# KiCad board HPM6E00ADCEVKRevC.kicad_pcb
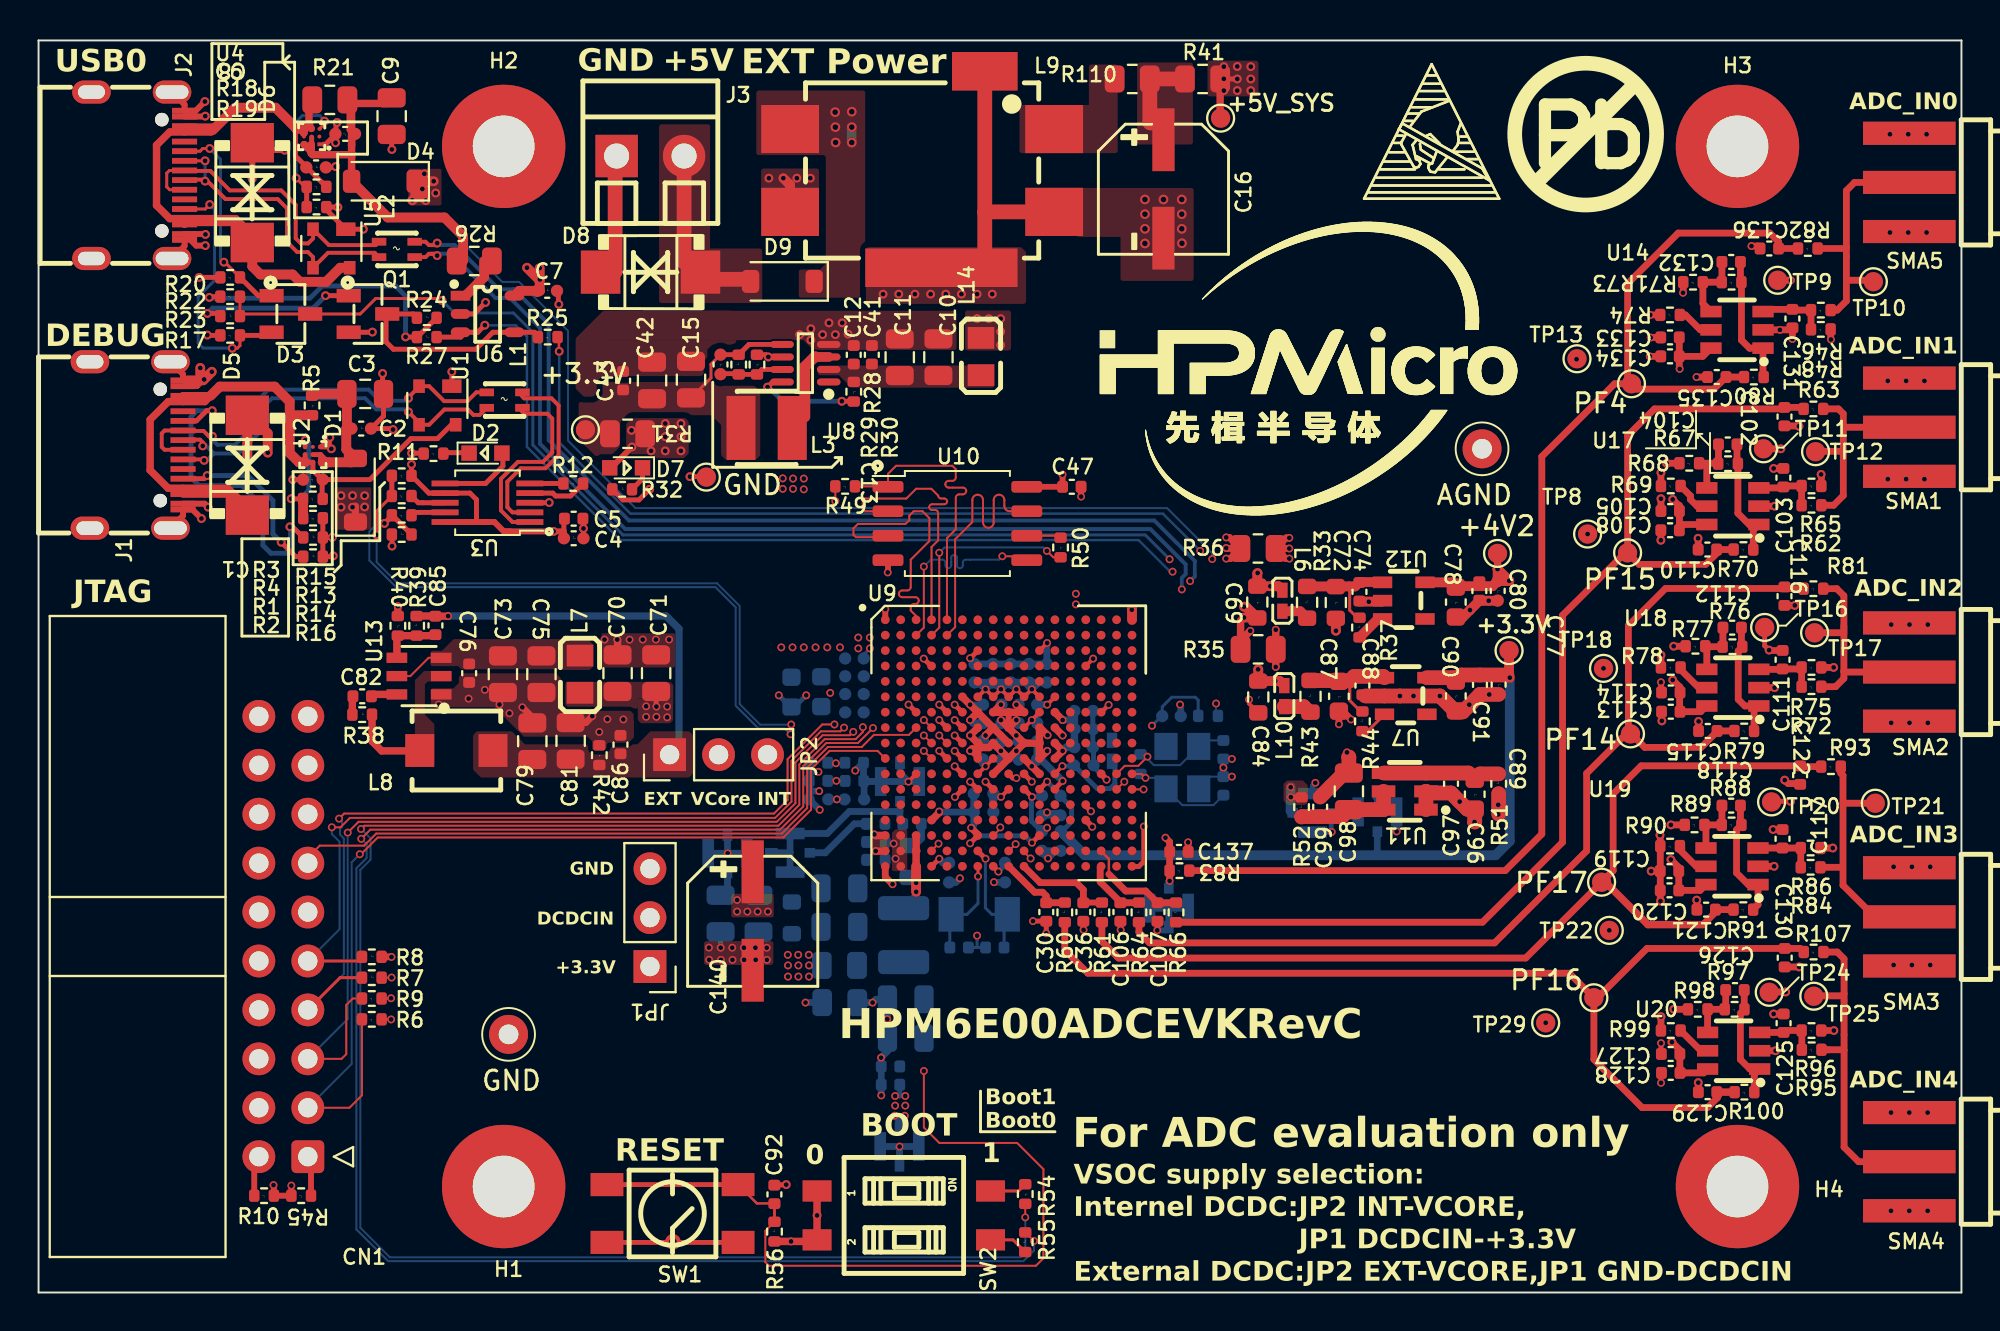
[diagram p0: board, top side]
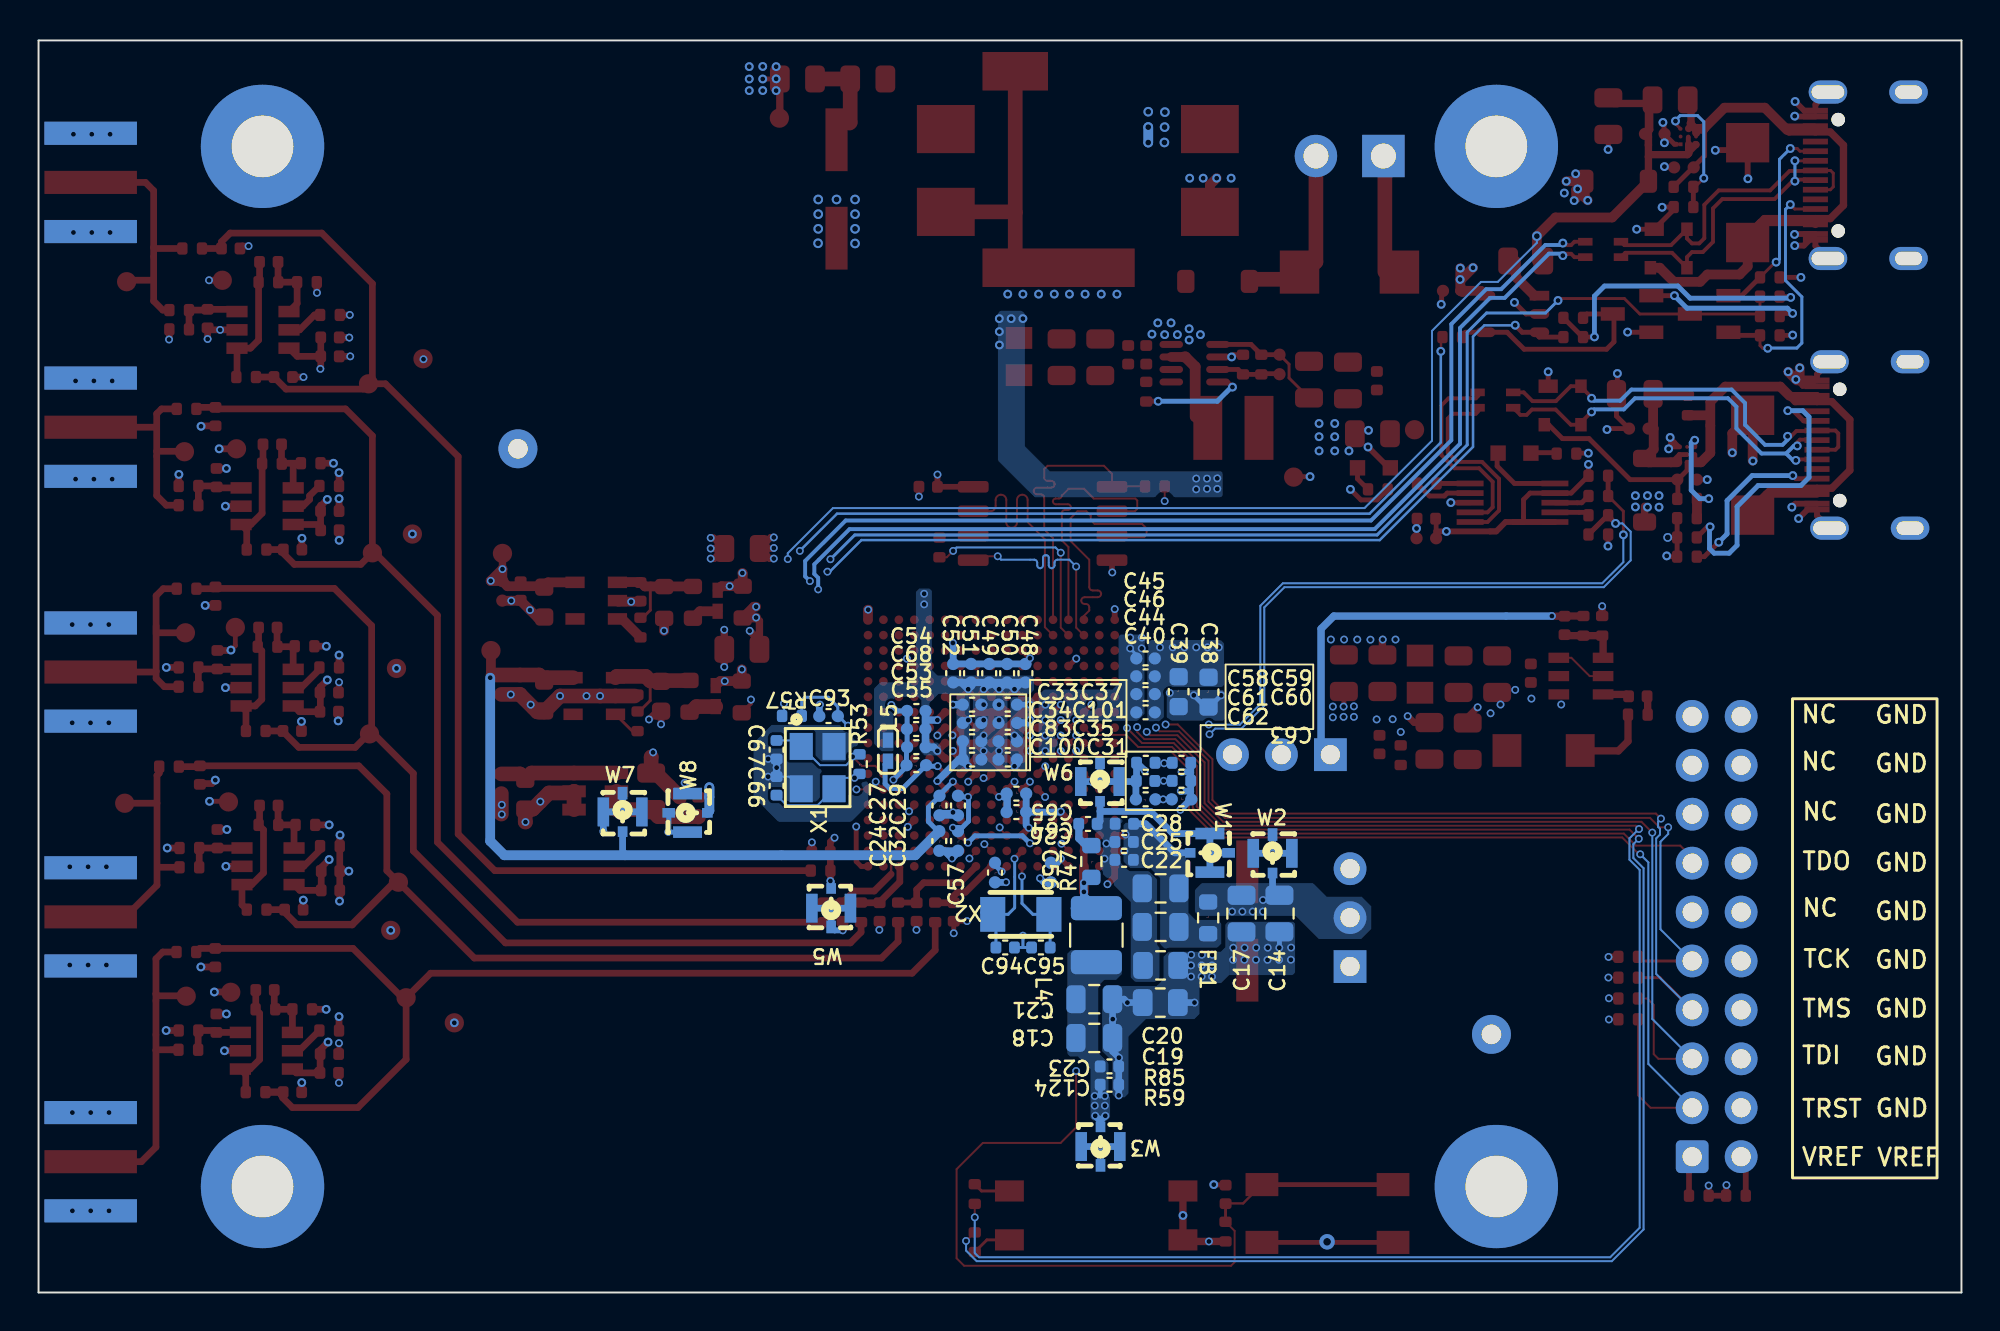
[diagram p1: board, bottom side, seen from below]

Outline 99.76 x 65 mm; copper layers: Top, In1.Cu, In2.Cu, Bottom. Coordinates in mm from the lower left corner of the outline.
Outline path: 0,65 99.76,65 99.76,0 0,0 0,65
Stack: Top 0.0351mm / dielectric 0.2103mm FR4 er 4.36 / In1.Cu 0.0152mm / dielectric 1.065mm FR4 er 4.43 / In2.Cu 0.0152mm / dielectric 0.2103mm FR4 er 4.36 / Bottom 0.0351mm

## Placement (name value [footprint] x y rotation side)
C1  0.1uF,50V  [C_0402]  14.23 42.2 180 top
C2  4.7uF,10V  [C_0402]  16.74 44.85 0 top
C3  22uF,10V  [C_0805_2012Metric]  16.95 46.65 0 top
C4  4.7uF,16V  [C_0402]  27.76 39.16 0 top
C5  0.1uF,16V  [C_0402_1005Metric]  27.76 40.17 0 top
C6  0.1uF,50V  [C_0402]  14.4 58.41 0 top
C7  4.7uF,16V  [C_0402]  26.39 52 0 top
C8  4.7uF,16V  [C_0402]  15.91 60.15 180 top
C9  22uF,10V  [C_0805_2012Metric]  18.32 61.07 270 top
C10  22uF,10V  [C_0805_2012Metric]  46.69 48.56 90 top
C11  22uF,10V  [C_0805_2012Metric]  44.68 48.55 90 top
C12  0.1uF,16V  [C_0402_1005Metric]  42.29 48.68 90 top
C13  18pF,50V  [C_0402]  35.38 48.18 270 top
C14  22uF,10V  [C_0805_2012Metric]  35.38 19.67 270 bottom
C15  22uF,10V  [C_0805_2012Metric]  33.85 47.39 90 top
C16  220uF,16V  [CAP-SMD_BD6.3-L6.6-W6.6-LS7.2-R-RD]  58.36 57.29 90 top
C17  22uF,10V  [C_0805_2012Metric]  37.35 19.67 270 bottom
C18  22uF,10V  [C_0805_2012Metric]  44.99 13.22 180 bottom
C19  22uF,10V  [C_0805_2012Metric]  41.55 18.98 0 bottom
C20  22uF,10V  [C_0805_2012Metric]  41.55 20.98 0 bottom
C21  22uF,10V  [C_0805_2012Metric]  44.99 15.22 180 bottom
C22  0.1uF,16V  [C_0402_1005Metric]  43.44 22.46 0 bottom
C23  0.1uF,16V  [C_0402_1005Metric]  44.2 11.73 180 bottom
C24  4.7uF,16V  [C_0402]  53.03 23.44 270 bottom
C25  0.1uF,16V  [C_0402_1005Metric]  43.44 23.39 0 bottom
C26  2.2nF,50V  [C_0402_1005Metric]  45.31 24.33 180 bottom
C27  0.01uF,16V  [C_0402]  53.02 25.28 270 bottom
C28  0.1uF,16V  [C_0402_1005Metric]  43.43 24.33 0 bottom
C29  0.01uF,16V  [C_0402]  52.06 25.28 270 bottom
C30  220pF,50V  [C_0402_1005Metric]  52.28 19.75 270 top
C31  0.1uF,16V  [C_0402_1005Metric#2]  49.48 27.67 0 bottom
C32  4.7uF,16V  [C_0402]  52.06 23.44 270 bottom
C33  0.1uF,16V  [C_0402_1005Metric#2]  51.33 30.52 180 bottom
C34  0.1uF,16V  [C_0402_1005Metric#2]  51.33 29.57 180 bottom
C35  0.1uF,16V  [C_0402_1005Metric#2]  49.48 28.62 0 bottom
C36  220pF,50V  [C_0402_1005Metric]  54.2 19.75 270 top
C37  0.1uF,16V  [C_0402_1005Metric#2]  49.48 30.52 0 bottom
C38  22uF,10V  [C_0603_1608Metric]  39.06 31.17 90 bottom
C39  22uF,10V  [C_0603_1608Metric]  40.61 31.19 90 bottom
C40  0.1uF,16V  [C_0402_1005Metric#2]  42.33 30.12 0 bottom
C41  0.1uF,16V  [C_0402_1005Metric]  43.23 48.68 90 top
C42  22uF,10V  [C_0805_2012Metric]  31.83 47.35 90 top
C43  0.1uF,16V  [C_0402_1005Metric]  30.33 47.33 90 top
C44  0.1uF,16V  [C_0402_1005Metric#2]  42.33 31.07 180 bottom
C45  0.1uF,16V  [C_0402_1005Metric#2]  42.33 32.92 180 bottom
C46  0.1uF,16V  [C_0402_1005Metric#2]  42.33 31.99 180 bottom
C47  0.1uF,16V  [C_0402_1005Metric]  53.61 41.83 0 top
C48  0.1uF,16V  [C_0402_1005Metric#2]  48.56 32.15 90 bottom
C49  0.1uF,16V  [C_0402_1005Metric#2]  50.44 32.15 90 bottom
C50  0.1uF,16V  [C_0402_1005Metric#2]  49.51 32.15 90 bottom
C51  0.1uF,16V  [C_0402_1005Metric#2]  51.38 32.15 90 bottom
C52  0.1uF,16V  [C_0402_1005Metric#2]  52.31 32.15 90 bottom
C53  0.1uF,16V  [C_0402_1005Metric#2]  54.22 28.31 0 bottom
C54  0.1uF,16V  [C_0402_1005Metric#2]  54.22 30.19 0 bottom
C55  0.1uF,16V  [C_0402]  54.22 27.38 0 bottom
C56  0.1uF,16V  [C_0402]  47.24 21.8 90 bottom
C57  0.1uF,16V  [C_0402]  50.14 21.8 270 bottom
C58  0.1uF,16V  [C_0402_1005Metric]  42.31 27.5 0 bottom
C59  4.7uF,10V  [C_0402_1005Metric]  40.46 27.5 180 bottom
C60  0.1uF,16V  [C_0402_1005Metric]  40.47 26.56 180 bottom
C61  4.7uF,10V  [C_0402_1005Metric]  42.33 26.56 0 bottom
C62  4.7uF,10V  [C_0402]  42.32 25.6 0 bottom
C63  0.1uF,16V  [C_0402]  40.46 25.6 180 bottom
C64  4.7uF,10V  [C_0402]  49.03 24.94 180 bottom
C65  0.1uF,16V  [C_0402]  49.03 25.9 180 bottom
C66  12pF,50V  [C_0402_1005Metric]  61.47 26.3 90 bottom
C67  12pF,50V  [C_0402_1005Metric]  61.47 28.18 270 bottom
C68  0.1uF,16V  [C_0402_1005Metric#2]  54.23 29.25 0 bottom
C69  10uF,10V  [R_0603_1608Metric]  63.23 35.84 270 top
C70  22uF,10V  [C_0805_2012Metric]  30.04 32.15 90 top
C71  22uF,10V  [C_0805_2012Metric]  32.04 32.15 90 top
C72  10uF,10V  [R_0603_1608Metric]  67.3 35.82 270 top
C73  22uF,10V  [C_0805_2012Metric]  24.09 32.1 270 top
C74  0.1uF,16V  [C_0402_1005Metric]  68.53 36.38 270 top
C75  22uF,10V  [C_0805_2012Metric]  26.09 32.1 270 top
C76  100nF,10V  [C_0402_1005Metric]  22.34 32.15 270 top
C77  0.01uF,16V  [C_0402]  75.7 36.43 270 top
C78  10uF,10V  [C_0603_1608Metric]  73.53 35.84 270 top
C79  22uF,6.3V  [C_0805_2012Metric]  25.62 28.62 90 top
C80  0.1uF,16V  [C_0402_1005Metric]  74.75 36.42 270 top
C81  22uF,6.3V  [C_0805_2012Metric]  27.6 28.64 90 top
C82  100nF,16V  [C_0402_1005Metric]  16.79 30.95 180 top
C83  0.1uF,16V  [C_0402_1005Metric#2]  51.33 28.62 180 bottom
C84  10uF,10V  [R_0603_1608Metric]  63.28 30.92 270 top
C85  68pF,50V  [C_0402_1005Metric]  20.59 34.63 270 top
C86  100nF,6.3V  [C_0402_1005Metric]  30.19 28.44 90 top
C87  10uF,10V  [C_0603_1608Metric]  67.46 30.95 270 top
C88  0.1uF,16V  [C_0402_1005Metric]  68.68 31.51 270 top
C89  0.01uF,16V  [C_0402]  75.75 31.56 270 top
C90  10uF,10V  [C_0603_1608Metric]  73.53 30.97 270 top
C91  0.1uF,16V  [C_0402_1005Metric]  74.78 31.55 270 top
C92  0.1uF,16V  [C_0402_1005Metric]  38.18 5.09 90 top
C93  0.1uF,16V  [C_0402_1005Metric#2]  58.77 29.92 0 bottom
C94  15pF,50V  [C_0402_1005Metric]  49.61 17.91 180 bottom
C95  15pF,50V  [C_0402_1005Metric]  47.76 17.91 0 bottom
C96  10uF,10V  [C_0603_1608Metric]  74.51 25.87 270 top
C97  0.1uF,16V  [C_0402_1005Metric]  73.28 26.41 270 top
C98  22uF,10V  [C_0805_2012Metric]  67.98 26.02 90 top
C99  0.1uF,16V  [C_0402_1005Metric]  66.49 25.21 90 top
C100  0.1uF,16V  [C_0402_1005Metric#2]  51.33 27.67 180 bottom
C101  0.1uF,16V  [C_0402_1005Metric#2]  49.48 29.57 0 bottom
C102  10nF,50V  [C_0402_1005Metric]  90.58 45.47 270 top
C103  10pF,50V  [C_0402_1005Metric]  90.52 42.3 90 top
C104  1nF,50V  [C_0402_1005Metric]  87.64 44.03 180 top
C105  0.1uF,16V  [C_0402_1005Metric]  84.65 40.57 180 top
C106  220pF,50V  [C_0402_1005Metric]  56.13 19.75 270 top
C107  220pF,50V  [C_0402_1005Metric]  58.05 19.75 270 top
C108  1uF,16V  [C_0402_1005Metric]  84.64 39.57 180 top
C110  10nF,50V  [C_0402_1005Metric]  86.58 38.57 180 top
C111  10pF,50V  [C_0402_1005Metric]  90.48 32.85 90 top
C112  1nF,50V  [C_0402_1005Metric]  87.87 34.51 180 top
C113  0.1uF,16V  [C_0402_1005Metric]  84.68 30.15 180 top
C114  1uF,16V  [C_0402_1005Metric]  84.68 31.15 180 top
C115  10nF,50V  [C_0402_1005Metric]  86.6 29.15 180 top
C116  10nF,50V  [C_0402_1005Metric]  90.58 36.15 270 top
C117  10pF,50V  [C_0402_1005Metric]  90.48 23.56 90 top
C118  1nF,50V  [C_0402_1005Metric]  87.81 25.28 180 top
C119  0.1uF,16V  [C_0402_1005Metric]  84.61 21.88 180 top
C120  1uF,16V  [C_0402_1005Metric]  84.61 20.88 180 top
C121  10nF,50V  [C_0402_1005Metric]  86.51 19.88 180 top
C122  10nF,50V  [C_0402_1005Metric]  91.39 26.86 270 top
C124  0.1uF,16V  [C_0402_1005Metric]  44.2 10.78 180 bottom
C125  10pF,50V  [C_0402_1005Metric]  90.53 13.98 90 top
C126  1nF,50V  [C_0402_1005Metric]  88.01 15.7 180 top
C127  0.1uF,16V  [C_0402_1005Metric]  84.67 12.38 180 top
C128  1uF,16V  [C_0402_1005Metric]  84.68 11.4 180 top
C129  10nF,50V  [C_0402_1005Metric]  86.59 10.4 180 top
C130  10nF,50V  [C_0402_1005Metric]  90.59 17.38 270 top
C131  10pF,50V  [C_0402_1005Metric]  90.99 50.56 270 top
C132  1nF,50V  [C_0402_1005Metric]  87.81 53.5 180 top
C133  0.1uF,16V  [C_0402_1005Metric]  84.64 49.58 180 top
C134  1uF,16V  [C_0402_1005Metric]  84.64 48.6 180 top
C135  10nF,50V  [C_0402_1005Metric]  87.06 47.53 180 top
C136  10nF,50V  [C_0402_1005Metric]  89.79 54.2 180 top
C137  220pF,50V  [C_0402_1005Metric]  59.17 22.88 0 top
C140  220uF,16V  [CAP-SMD_BD6.3-L6.6-W6.6-LS7.2-R-RD]  37.05 19.28 90 top
CN1  2.54-2*10P弯简牛  [IDC-Header_2x10_P2.54mm_Horizontal]  13.97 7.05 180 top
D1  1N5819HW-7-F  [D_SOD-123]  16.44 41.65 90 top
D2  LED GREEN  [LED_0603]  23.19 43.58 180 top
D3  BAT54A-7-F  [SOT-23]  13.09 50.8 180 top
D4  1N5819HW-7-F  [D_SOD-123]  17.89 57.69 180 top
D5  SMB/DO-214AA_P6SMB6.8CA  [SMB_(DO-214AA)]  10.83 42.95 270 top
D6  SMB/DO-214AA_P6SMB6.8CA  [SMB_(DO-214AA)]  11.09 57.1 270 top
D7  LED_RED  [LED_0603]  30.48 42.81 0 top
D8  SMB/DO-214AA_P6SMB6.8CA  [SMB_(DO-214AA)]  31.75 52.97 0 top
D9  1N5819HW-7-F  [D_SOD-123]  38.59 52.49 180 top
FB1  100Ω@100MHz 2A  [R_0603_1608Metric]  39.08 19.45 90 bottom
H1  MountingHole  [MountingHole_3.2mm_M3_Pad]  24.13 5.5 0 top
H2  MountingHole  [MountingHole_3.2mm_M3_Pad]  24.13 59.5 0 top
H3  MountingHole  [MountingHole_3.2mm_M3_Pad]  88.14 59.5 0 top
H4  MountingHole  [MountingHole_3.2mm_M3_Pad]  88.14 5.5 0 top
J1  KH-TYPE-C-16P  [TYPE-C-16P]  5.08 44 270 top
J2  KH-TYPE-C-16P  [TYPE-C-16P]  5.16 58 270 top
J3  DB125-3.5-2P-GN-S  [CONN-TH_2P-P3.50_L7.4-W7.0]  31.74 59 0 top
JP1  Jumper_3_Bridged12  [PinHeader_1x03_P2.54mm_Vertical]  31.72 16.92 180 top
JP2  Jumper_3_Bridged12  [PinHeader_1x03_P2.54mm_Vertical]  32.74 27.92 90 top
L1  DLW21SN900SQ2L  [L2012]  24.18 46.33 270 top
L2  DLW21SN900SQ2L  [L2012]  18.59 54.15 270 top
L3  4.7uH-1.24A 156mΩ  [L3012]  37.77 44.89 180 top
L4  4.7uH_2A  [L_1210_3225Metric]  44.88 18.55 90 bottom
L5  BLM15AG102SN1D  [L0402]  55.69 28.12 270 bottom
L6  BLM15AG102SN1D  [L0402]  64.53 35.91 270 top
L7  BLM21AG121SN1D  [L0805]  28.09 32.1 90 top
L8  BMRA00040420100MA1  [IND-SMD_L4.6-W4.1]  21.68 28.14 180 top
L9  BNX024H01L  [FILTER-SMD_BNX022-01L]  45.84 58.3 0 top
L10  BLM15AG102SN1D  [L0402]  64.63 30.96 270 top
L14  BLM21AG121SN1D  [L0805]  48.89 48.59 270 top
NOREF  -  [ESD2]  68.68 63.81 0 top
Q1  2N7002  [SOT-23]  17.09 50.8 180 top
R1  5.1K  [R_0402_1005Metric]  14.24 39.2 0 top
R2  5.1K  [R_0402_1005Metric]  14.24 38.2 0 top
R3  1M  [R_0402_1005Metric]  14.23 41.2 180 top
R4  249K  [R_0402_1005Metric]  14.24 40.2 180 top
R5  0R  [R_0402_1005Metric]  14.19 46.05 270 top
R6  10K  [R_0402_1005Metric]  17.29 14.18 180 top
R7  10K  [R_0402_1005Metric]  17.29 16.34 0 top
R8  10K  [R_0402_1005Metric]  17.29 17.42 0 top
R9  10K  [R_0402_1005Metric]  17.29 15.26 180 top
R10  0Ω  [R_0402_1005Metric]  11.7 5.03 180 top
R11  1K  [R_0402_1005Metric]  20.49 43.55 180 top
R12  2K  [R_0402_1005Metric]  27.74 42 180 top
R13  33Ω  [R_0402_1005Metric]  18.84 41.35 180 top
R14  33Ω  [R_0402_1005Metric]  18.84 40.35 180 top
R15  5.1K  [R_0402_1005Metric]  18.84 42.4 180 top
R16  5.1K  [R_0402_1005Metric]  18.84 39.35 0 top
R17  5.1K  [R_0402_1005Metric]  9.94 49.69 180 top
R18  1M  [R_0402_1005Metric]  14.42 57.4 180 top
R19  249K  [R_0402_1005Metric]  14.42 56.35 180 top
R20  5.1K  [R_0402_1005Metric]  9.94 52.7 180 top
R21  0R  [R_0805_2012Metric]  15.11 61.91 180 top
R22  100K  [R_0402_1005Metric]  9.94 51.7 180 top
R23  10K  [R_0402_1005Metric]  9.94 50.69 0 top
R24  10K  [R_0402_1005Metric]  20.14 50.6 0 top
R25  0Ω  [R_0402_1005Metric]  26.42 49.6 180 top
R26  0Ω  [R_0805_2012Metric]  22.61 53.55 180 top
R27  10K  [R_0402_1005Metric]  20.14 49.6 0 top
R28  10K  [R_0402_1005Metric]  42.29 46.76 270 top
R29  200K  [R_0402_1005Metric]  36.32 48.17 90 top
R30  44.2K  [R_0402_1005Metric]  37.27 48.17 270 top
R31  0Ω  [R_0805_2012Metric]  30.56 44.58 180 top
R32  2K  [R_0402_1005Metric]  30.28 41.7 0 top
R33  0Ω  [R_0603_1608Metric]  65.81 35.83 90 top
R35  0Ω  [R_0805_2012Metric]  63.27 33.39 0 top
R36  0Ω  [R_0805_2012Metric]  63.27 38.62 0 top
R37  10K  [R_0402_1005Metric]  68.53 34.52 90 top
R38  0Ω  [R_0402_1005Metric]  16.79 30 0 top
R39  110K  [R_0402_1005Metric]  19.61 34.61 90 top
R40  100K  [R_0402_1005Metric]  18.64 34.61 270 top
R41  0Ω  [R_0805_2012Metric]  60.39 63 0 top
R42  100K  [R_0402_1005Metric]  29.09 27.89 270 top
R43  0Ω  [R_0603_1608Metric]  65.99 30.95 90 top
R44  10K  [R_0402_1005Metric]  68.68 29.65 90 top
R45  0Ω  [R_0402_1005Metric]  13.62 5.03 180 top
R46  1K  [R_0402_1005Metric]  92.46 51 180 top
R47  10Ω  [R_0603_1608Metric]  45.14 22.38 270 bottom
R48  1K  [R_0402_1005Metric]  92.46 50 180 top
R49  10K  [R_0402_1005Metric]  41.85 41.85 180 top
R50  33Ω  [R_0402_1005Metric]  53.02 38.68 270 top
R51  0Ω  [R_0402_1005Metric]  75.75 26.41 90 top
R52  0Ω  [R_0402_1005Metric]  65.52 25.2 90 top
R53  1M  [R_0402_1005Metric]  57.17 27.43 270 bottom
R54  1k  [R_0402_1005Metric]  51.19 5.11 270 top
R55  1k  [R_0402_1005Metric]  51.19 2.61 90 top
R56  10K  [R_0402_1005Metric]  38.18 3.16 90 top
R57  10Ω  [R_0402_1005Metric]  60.67 29.94 180 bottom
R59  0Ω  [R_0805_2012Metric]  41.56 15.05 0 bottom
R60  50Ω  [R_0402_1005Metric]  53.24 19.73 90 top
R61  50Ω  [R_0402_1005Metric]  55.17 19.73 90 top
R62  1K  [R_0402_1005Metric]  91.98 40.87 180 top
R63  0Ω  [R_0402_1005Metric]  92.08 45.87 180 top
R64  50Ω  [R_0402_1005Metric]  57.09 19.73 90 top
R65  1K  [R_0402_1005Metric]  91.98 41.87 180 top
R66  50Ω  [R_0402_1005Metric]  59.01 19.73 90 top
R67  0Ω  [R_0402_1005Metric]  87.65 43.03 180 top
R68  1K  [R_0402_1005Metric]  85.64 43.05 180 top
R69  0Ω  [R_0402_1005Metric]  84.68 41.87 180 top
R70  2.2Ω  [R_0402_1005Metric]  88.45 38.57 180 top
R71  0Ω  [R_0402_1005Metric]  87.83 52.45 180 top
R72  1K  [R_0402_1005Metric]  91.98 31.45 180 top
R73  1K  [R_0402_1005Metric]  85.83 52.45 180 top
R74  0Ω  [R_0402_1005Metric]  84.64 50.75 180 top
R75  1K  [R_0402_1005Metric]  91.98 32.45 180 top
R76  0Ω  [R_0402_1005Metric]  87.88 33.53 180 top
R77  1K  [R_0402_1005Metric]  85.96 33.55 180 top
R78  0Ω  [R_0402_1005Metric]  84.68 32.45 180 top
R79  2.2Ω  [R_0402_1005Metric]  88.49 29.15 180 top
R80  2.2Ω  [R_0402_1005Metric]  88.99 47.53 180 top
R81  0Ω  [R_0402_1005Metric]  92.08 36.54 180 top
R82  0Ω  [R_0402_1005Metric]  91.79 54.2 180 top
R83  50Ω  [R_0402_1005Metric]  59.19 21.9 180 top
R84  1K  [R_0402_1005Metric]  91.93 22.08 180 top
R85  0Ω  [R_0805_2012Metric]  41.55 16.98 0 bottom
R86  1K  [R_0402_1005Metric]  91.93 23.08 180 top
R88  0Ω  [R_0402_1005Metric]  87.83 24.28 180 top
R89  1K  [R_0402_1005Metric]  85.91 24.28 180 top
R90  0Ω  [R_0402_1005Metric]  84.64 23.17 180 top
R91  2.2Ω  [R_0402_1005Metric]  88.44 19.88 180 top
R93  0Ω  [R_0402_1005Metric]  92.99 27.3 180 top
R95  1K  [R_0402_1005Metric]  91.99 12.6 180 top
R96  1K  [R_0402_1005Metric]  91.98 13.6 180 top
R97  0Ω  [R_0402_1005Metric]  87.99 14.7 180 top
R98  1K  [R_0402_1005Metric]  86.08 14.7 180 top
R99  0Ω  [R_0402_1005Metric]  84.68 13.6 180 top
R100  2.2Ω  [R_0402_1005Metric]  88.5 10.4 180 top
R107  0Ω  [R_0402_1005Metric]  92.09 17.67 180 top
R110  1Ω  [R_0805_2012Metric]  56.74 63 0 top
SMA1  SMA_C9900018296  [SMA-SMD_BWSMA-KE-P001]  97.05 44.92 0 top
SMA2  SMA_C9900018296  [SMA-SMD_BWSMA-KE-P001]  97.05 32.21 0 top
SMA3  SMA_C9900018296  [SMA-SMD_BWSMA-KE-P001]  97.05 19.5 0 top
SMA4  SMA_C9900018296  [SMA-SMD_BWSMA-KE-P001]  97.05 6.79 0 top
SMA5  SMA_C9900018296  [SMA-SMD_BWSMA-KE-P001]  97.05 57.63 0 top
SW1  轻触开关4.5mm*4.5mm*4mm  [轻触开关SMD-4P,4.5x4.5mm]  32.89 4.1 0 top
SW2  DM-02-V  [SW-SMD_DM-02-V]  44.89 4 270 top
TP1  GND  [Test_Point_D1.02mm]  24.38 13.4 0 top
TP2  +5V_SYS  [TestPoint_Pad_D1.0mm]  61.33 60.97 0 top
TP3  +3.3V  [TestPoint_Pad_D1.0mm]  28.37 44.79 0 top
TP4  AGND  [Test_Point_D1.02mm]  74.89 43.8 180 top
TP5  +4V2  [TestPoint_Pad_D1.0mm]  75.69 38.37 0 top
TP6  +3.3V  [TestPoint_Pad_D1.0mm]  76.29 33.33 180 top
TP7  GND  [TestPoint_Pad_D1.0mm]  34.65 42.33 0 top
TP8  AGND  [TestPoint_Pad_D1.0mm]  80.36 39.38 0 top
TP9  G  [TestPoint_Pad_D1.0mm]  90.23 52.55 0 top
TP10  S  [TestPoint_Pad_D1.0mm]  95.19 52.48 0 top
TP11  G  [TestPoint_Pad_D1.0mm]  89.49 43.8 0 top
TP12  S  [TestPoint_Pad_D1.0mm]  92.19 43.65 0 top
TP13  AGND  [TestPoint_Pad_D1.0mm]  79.81 48.47 0 top
TP14  PF4  [TestPoint_Pad_D1.0mm]  82.64 47.17 0 top
TP15  PF15  [TestPoint_Pad_D1.0mm]  82.44 38.4 0 top
TP16  G  [TestPoint_Pad_D1.0mm]  89.55 34.53 0 top
TP17  S  [TestPoint_Pad_D1.0mm]  92.14 34.25 0 top
TP18  AGND  [TestPoint_Pad_D1.0mm]  81.19 32.4 0 top
TP19  PF14  [TestPoint_Pad_D1.0mm]  82.59 29 0 top
TP20  G  [TestPoint_Pad_D1.0mm]  89.91 25.47 0 top
TP21  S  [TestPoint_Pad_D1.0mm]  95.29 25.4 0 top
TP22  AGND  [TestPoint_Pad_D1.0mm]  81.49 18.8 0 top
TP23  PF17  [TestPoint_Pad_D1.0mm]  81.09 21.3 0 top
TP24  G  [TestPoint_Pad_D1.0mm]  89.79 15.58 0 top
TP25  S  [TestPoint_Pad_D1.0mm]  92.1 15.38 0 top
TP29  AGND  [TestPoint_Pad_D1.0mm]  78.19 14 0 top
TP30  PF16  [TestPoint_Pad_D1.0mm]  80.69 15.3 0 top
U1  PRTR5V0U2X  [SOT-143]  20.69 46.05 270 top
U2  AW33901FCR  [FCQFN-9]  14.23 43.5 270 top
U3  CH340E  [MSOP-10]  23.29 41 180 top
U4  AW33901FCR  [FCQFN-9]  14.17 60.01 180 top
U5  PRTR5V0U2X  [SOT-143]  15.19 54.2 270 top
U6  AP2151WG-7  [SOT-23-5]  23.29 50.8 0 top
U7  TPS7A2033PDBVR  [SOT-23-5_L2.9-W1.6-P0.95-LS2.8-BR]  70.93 30.97 180 top
U8  MP2161GJ-Z  [TSOT-23-8_L2.9-W1.6-P0.65-LS2.8-BR]  39.78 48.24 0 top
U9  HPM6E00BGA289_BDIF  [BGA-289_17x17_14.0x14.0mm]  50.33 28.53 0 top
U10  MX25L12833FM2I-10G  [SOIC8_208mil]  47.67 39.92 0 top
U11  REF3433IDBVR  [TSOT-23-6_L2.9-W1.6-P0.95-LS2.8-TL]  70.88 26.02 180 top
U12  TPS7A2042PDBVR  [SOT-23-5_L2.9-W1.6-P0.95-LS2.8-BR]  70.83 35.92 180 top
U13  TPS54202DDCR  [SOT-23-6_L2.9-W1.6-P0.95-LS2.8-BL]  19.74 32 90 top
U14  OPA625IDBVR  [SOT-23-6_L2.9-W1.6-P0.95-LS2.8-BR]  88.11 49.97 0 top
U17  OPA625IDBVR  [SOT-23-6_L2.9-W1.6-P0.95-LS2.8-BR]  87.9 40.82 0 top
U18  OPA625IDBVR  [SOT-23-6_L2.9-W1.6-P0.95-LS2.8-BR]  87.9 31.4 0 top
U19  OPA625IDBVR  [SOT-23-6_L2.9-W1.6-P0.95-LS2.8-BR]  87.85 22.12 0 top
U20  OPA625IDBVR  [SOT-23-6_L2.9-W1.6-P0.95-LS2.8-BR]  87.94 12.55 0 top
W1  IPEX3-TXZ_214  [RF-SMD_IPEX3-TXZ-214]  39.02 22.83 90 bottom
W2  IPEX3-TXZ_214  [RF-SMD_IPEX3-TXZ-214]  35.74 22.78 0 bottom
W3  IPEX3-TXZ_214  [RF-SMD_IPEX3-TXZ-214]  44.66 7.6 180 bottom
W5  IPEX3-TXZ_214  [RF-SMD_IPEX3-TXZ-214]  58.64 19.97 180 bottom
W6  IPEX3-TXZ_214  [RF-SMD_IPEX3-TXZ-214]  44.69 26.5 0 bottom
W7  IPEX3-TXZ_214  [RF-SMD_IPEX3-TXZ-214]  69.46 24.92 0 bottom
W8  IPEX3-TXZ_214  [RF-SMD_IPEX3-TXZ-214]  66.06 24.9 270 bottom
X1  24MHz ±10ppm 12pF  [3225]  59.34 27.25 270 bottom
X2  32.768kHz,12.5pF  [3215]  48.8 19.63 180 bottom
